# KiCad board jetson-orin-baseboard-test-rig.kicad_pcb
title: Jetson Orin Baseboard Test Rig; date: 2025-06-25; rev: 1.1.0; company: Antmicro Ltd; note: www.antmicro.com
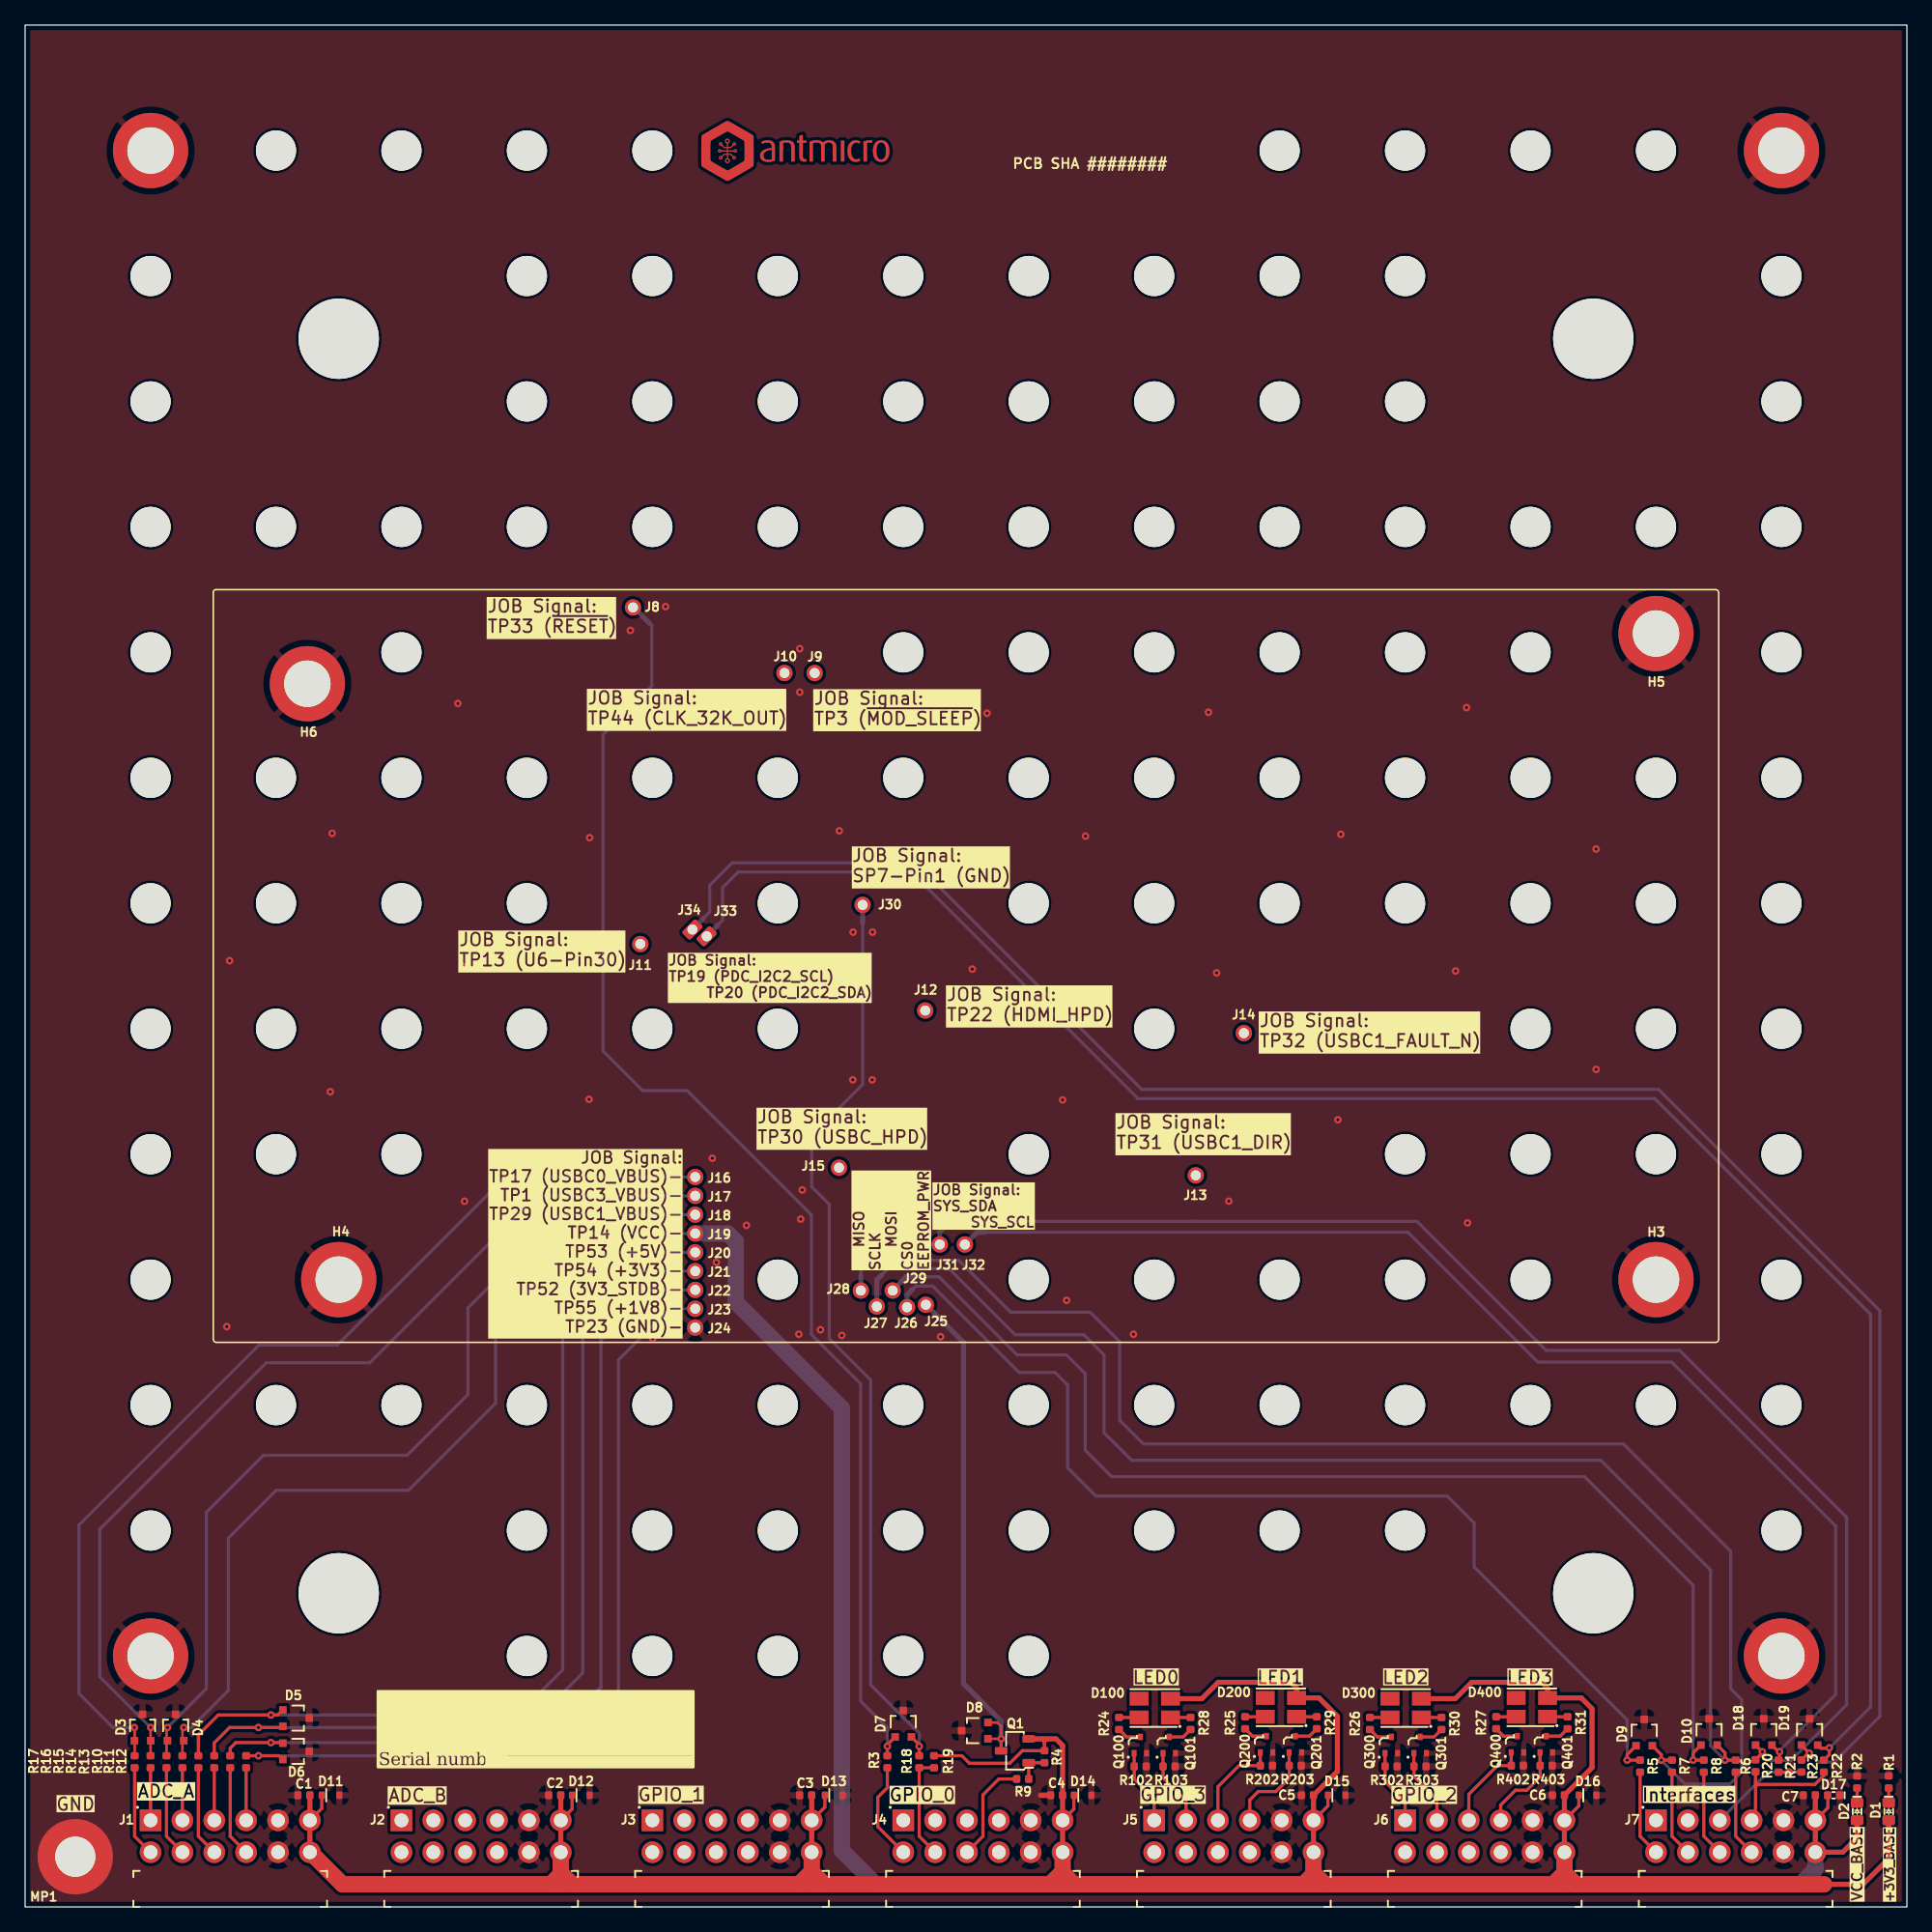
[diagram p0: board, top side]
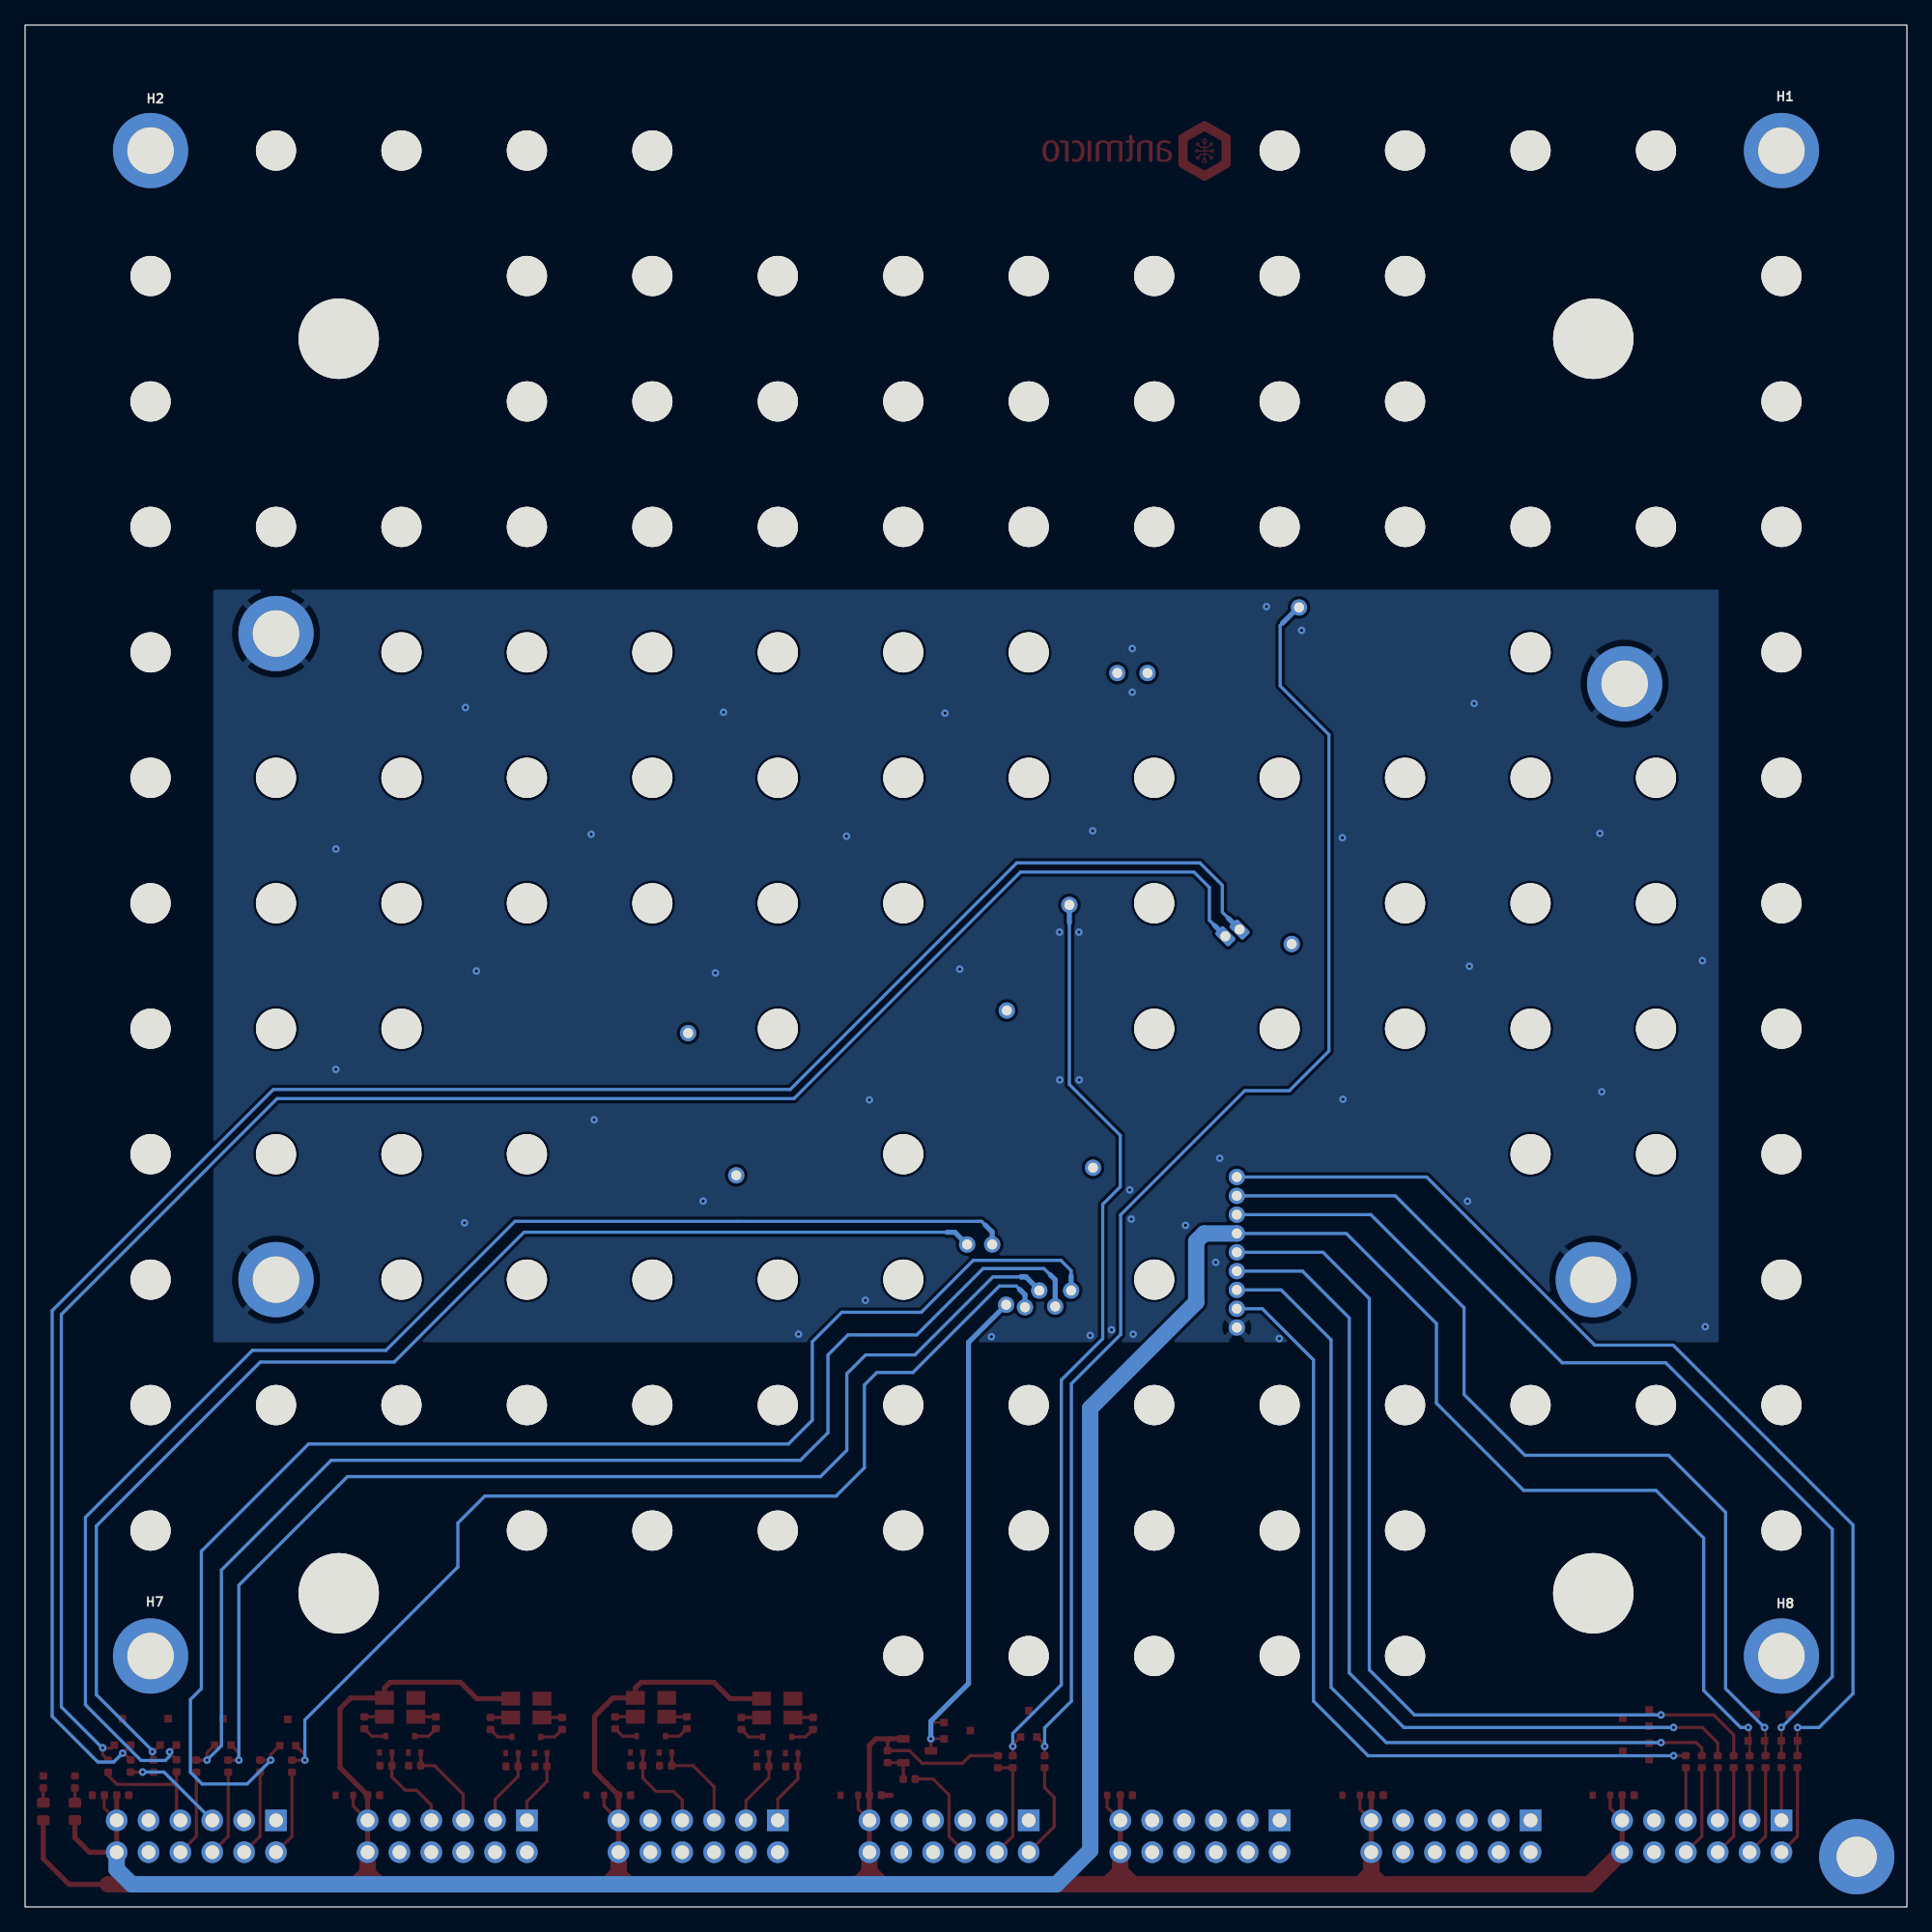
[diagram p1: board, bottom side, seen from below]

Outline 150 x 150 mm; copper layers: Top, Bottom. Coordinates in mm from the lower left corner of the outline.
Outline path: rectangle 0,150 150,0
Stack: Top 0.035mm / dielectric 1.53mm PR2116 er 4.3 / Bottom 0.035mm

## Placement (name value [footprint] x y rotation side)
C1  C_100n_0402  [C_0402_1005Metric]  22.22 8.9 0 top
C2  C_100n_0402  [C_0402_1005Metric]  42.22 8.9 0 top
C3  C_100n_0402  [C_0402_1005Metric]  62.22 8.9 0 top
C4  C_100n_0402  [C_0402_1005Metric]  82.22 8.9 0 top
C5  C_100n_0402  [C_0402_1005Metric]  102.22 8.9 0 top
C6  C_100n_0402  [C_0402_1005Metric]  122.22 8.9 0 top
C7  C_100n_0402  [C_0402_1005Metric]  142.22 8.9 0 top
D1  LED_G_0603_KP-1608CGCK  [LED_0603_1608Metric_G]  148.55 7.61 270 top
D2  LED_G_0603_KP-1608CGCK  [LED_0603_1608Metric_G]  146.03 7.61 270 top
D3  AQ24COM-02  [SC70-3]  9.37 14.3 90 top
D4  AQ24COM-02  [SC70-3]  12 14.3 90 top
D5  TPD2E2U06_SC70  [SC70-3]  21.6 15.05 0 top
D6  TPD2E2U06_SC70  [SC70-3]  21.6 12.4 0 top
D7  TPD2E2U06_SC70  [SC70-3]  70 14.6 90 top
D8  TPD2E2U06_SC70  [SC70-3]  75.7 14.05 180 top
D9  TPD2E2U06_SC70  [SC70-3]  129.06 13.9 90 top
D10  TPD2E2U06_SC70  [SC70-3]  134.23 13.95 90 top
D11  PESD5Z3.3  [SOD-523]  24.35 8.9 0 top
D12  PESD5Z3.3  [SOD-523]  44.3 8.9 0 top
D13  PESD5Z3.3  [SOD-523]  64.45 8.9 0 top
D14  PESD5Z3.3  [SOD-523]  84.3 8.9 0 top
D15  PESD5Z3.3  [SOD-523]  104.55 8.9 0 top
D16  PESD5Z3.3  [SOD-523]  124.55 8.9 0 top
D17  AXGD10402KR  [D_0402_1005Metric]  144.16 8.9 180 top
D18  TPD2E2U06_SC70  [SC70-3]  138.59 13.95 90 top
D19  TPD2E2U06_SC70  [SC70-3]  142.24 13.95 90 top
D100  LED_RGB_PLCC4_ASMB_MTB1_0A3A2  [PLCC4_3.2x2.8mm]  90.04 15.84 180 top
D200  LED_RGB_PLCC4_ASMB_MTB1_0A3A2  [PLCC4_3.2x2.8mm]  100.1 15.9 180 top
D300  LED_RGB_PLCC4_ASMB_MTB1_0A3A2  [PLCC4_3.2x2.8mm]  110.05 15.84 180 top
D400  LED_RGB_PLCC4_ASMB_MTB1_0A3A2  [PLCC4_3.2x2.8mm]  120.1 15.9 180 top
H1  -  [Spacer_Drill3.7mm_H5mm_9774050151R]  10 140 180 bottom
H2  -  [Spacer_Drill3.7mm_H5mm_9774050151R]  140 140 180 bottom
H3  -  [Spacer_Drill3.7mm_H6.5mm_9774065151R]  130 50 0 top  (not fitted)
H4  -  [Spacer_Drill3.7mm_H6.5mm_9774065151R]  25 50 0 top  (not fitted)
H5  -  [Spacer_Drill3.7mm_H6.5mm_9774065151R]  130 101.5 0 top  (not fitted)
H6  -  [Spacer_Drill3.7mm_H6.5mm_9774065151R]  22.5 97.5 0 top  (not fitted)
H7  -  [Spacer_Drill3.7mm_H5mm_9774050151R]  140 20 180 bottom
H8  -  [Spacer_Drill3.7mm_H5mm_9774050151R]  10 20 180 bottom
J1  -  [PinHeader_2x6_P2.54mm_Drill1.1mm_Horizontal]  10 6.9 0 top
J2  -  [PinHeader_2x6_P2.54mm_Drill1.1mm_Horizontal]  30 6.9 0 top
J3  -  [PinHeader_2x6_P2.54mm_Drill1.1mm_Horizontal]  50 6.9 0 top
J4  -  [PinHeader_2x6_P2.54mm_Drill1.1mm_Horizontal]  70 6.9 0 top
J5  -  [PinHeader_2x6_P2.54mm_Drill1.1mm_Horizontal]  90 6.9 0 top
J6  -  [PinHeader_2x6_P2.54mm_Drill1.1mm_Horizontal]  110 6.9 0 top
J7  -  [PinHeader_2x6_P2.54mm_Drill1.1mm_Horizontal]  130 6.9 0 top
J8  Harwin_1x1_H17.75mm_Drill0.8mm_S13-503  [PogoPin_Harwin_1x1_H17.75mm_Drill0.8mm_S13-503]  48.46 103.58 0 top
J9  Harwin_1x1_H17.75mm_Drill0.8mm_S13-503  [PogoPin_Harwin_1x1_H17.75mm_Drill0.8mm_S13-503]  62.94 98.36 0 top
J10  Harwin_1x1_H17.75mm_Drill0.8mm_S13-503  [PogoPin_Harwin_1x1_H17.75mm_Drill0.8mm_S13-503]  60.53 98.36 0 top
J11  Harwin_1x1_H17.75mm_Drill0.8mm_S13-503  [PogoPin_Harwin_1x1_H17.75mm_Drill0.8mm_S13-503]  49.04 76.75 0 top
J12  Harwin_1x1_H17.75mm_Drill0.8mm_S13-503  [PogoPin_Harwin_1x1_H17.75mm_Drill0.8mm_S13-503]  71.75 71.45 0 top
J13  Harwin_1x1_H17.75mm_Drill0.8mm_S13-503  [PogoPin_Harwin_1x1_H17.75mm_Drill0.8mm_S13-503]  93.31 58.31 0 top
J14  Harwin_1x1_H17.75mm_Drill0.8mm_S13-503  [PogoPin_Harwin_1x1_H17.75mm_Drill0.8mm_S13-503]  97.15 69.65 0 top
J15  Harwin_1x1_H17.75mm_Drill0.8mm_S13-503  [PogoPin_Harwin_1x1_H17.75mm_Drill0.8mm_S13-503]  64.88 58.92 0 top
J16  Harwin_1x1_H17.75mm_Drill0.8mm_S13-503  [PogoPin_Harwin_1x1_H17.75mm_Drill0.8mm_S13-503]  53.41 58.18 0 top
J17  Harwin_1x1_H17.75mm_Drill0.8mm_S13-503  [PogoPin_Harwin_1x1_H17.75mm_Drill0.8mm_S13-503]  53.41 56.68 0 top
J18  Harwin_1x1_H17.75mm_Drill0.8mm_S13-503  [PogoPin_Harwin_1x1_H17.75mm_Drill0.8mm_S13-503]  53.41 55.18 0 top
J19  Harwin_1x1_H17.75mm_Drill0.8mm_S13-503  [PogoPin_Harwin_1x1_H17.75mm_Drill0.8mm_S13-503]  53.41 53.68 0 top
J20  Harwin_1x1_H17.75mm_Drill0.8mm_S13-503  [PogoPin_Harwin_1x1_H17.75mm_Drill0.8mm_S13-503]  53.41 52.18 0 top
J21  Harwin_1x1_H17.75mm_Drill0.8mm_S13-503  [PogoPin_Harwin_1x1_H17.75mm_Drill0.8mm_S13-503]  53.41 50.68 0 top
J22  Harwin_1x1_H17.75mm_Drill0.8mm_S13-503  [PogoPin_Harwin_1x1_H17.75mm_Drill0.8mm_S13-503]  53.41 49.18 0 top
J23  Harwin_1x1_H17.75mm_Drill0.8mm_S13-503  [PogoPin_Harwin_1x1_H17.75mm_Drill0.8mm_S13-503]  53.41 47.68 0 top
J24  Harwin_1x1_H17.75mm_Drill0.8mm_S13-503  [PogoPin_Harwin_1x1_H17.75mm_Drill0.8mm_S13-503]  53.41 46.18 0 top
J25  Harwin_1x1_H17.75mm_Drill0.8mm_S13-503  [PogoPin_Harwin_1x1_H17.75mm_Drill0.8mm_S13-503]  71.8 48 0 top
J26  Harwin_1x1_H17.75mm_Drill0.8mm_S13-503  [PogoPin_Harwin_1x1_H17.75mm_Drill0.8mm_S13-503]  70.3 47.8 0 top
J27  Harwin_1x1_H17.75mm_Drill0.8mm_S13-503  [PogoPin_Harwin_1x1_H17.75mm_Drill0.8mm_S13-503]  67.89 47.86 0 top
J28  Harwin_1x1_H17.75mm_Drill0.8mm_S13-503  [PogoPin_Harwin_1x1_H17.75mm_Drill0.8mm_S13-503]  66.62 49.13 0 top
J29  Harwin_1x1_H17.75mm_Drill0.8mm_S13-503  [PogoPin_Harwin_1x1_H17.75mm_Drill0.8mm_S13-503]  69.16 49.13 0 top
J30  Harwin_1x1_H17.75mm_Drill0.8mm_S13-503  [PogoPin_Harwin_1x1_H17.75mm_Drill0.8mm_S13-503]  66.76 79.87 0 top
J31  Harwin_1x1_H17.75mm_Drill0.8mm_S13-503_CUSTOM  [PogoPin_Harwin_1x1_H17.75mm_Drill0.8mm_S13-503]  72.91 52.8 90 top
J32  Harwin_1x1_H17.75mm_Drill0.8mm_S13-503_CUSTOM  [PogoPin_Harwin_1x1_H17.75mm_Drill0.8mm_S13-503]  74.91 52.8 90 top
J33  Harwin_1x1_H17.75mm_Drill0.8mm_S13-503_CUSTOM_Oblong  [PogoPin_Harwin_1x1_H17.75mm_Drill0.8mm_CUSTOM_S13-503]  54.33 77.37 135 top
J34  Harwin_1x1_H17.75mm_Drill0.8mm_S13-503_CUSTOM_Oblong  [PogoPin_Harwin_1x1_H17.75mm_Drill0.8mm_CUSTOM_S13-503]  53.19 77.91 315 top
MP1  -  [MP_Pad6mm_Drill3.2mm]  4 4 0 top
Q1  BSS84  [SOT-23-3]  78.9 12.44 180 top
Q100  PJE138K  [SOT-523]  88.9 12.9 0 top
Q101  PJE138K  [SOT-523]  91.2 12.9 0 top
Q200  PJE138K  [SOT-523]  98.96 12.96 0 top
Q201  PJE138K  [SOT-523]  101.25 12.96 0 top
Q300  PJE138K  [SOT-523]  108.9 12.9 0 top
Q301  PJE138K  [SOT-523]  111.2 12.9 0 top
Q400  PJE138K  [SOT-523]  118.95 12.96 0 top
Q401  PJE138K  [SOT-523]  121.25 12.96 0 top
R1  R_330R_0402  [R_0402_1005Metric]  148.55 9.96 270 top
R2  R_3k9_0402  [R_0402_1005Metric]  146.03 9.96 270 top
R3  R_0R_0402  [R_0402_1005Metric]  68.73 11.57 90 top
R4  R_10k_0402  [R_0402_1005Metric]  81.25 11.97 90 top
R5  R_0R_0402  [R_0402_1005Metric]  128.73 11.22 90 top
R6  R_0R_0402  [R_0402_1005Metric]  136.35 11.22 90 top
R7  R_0R_0402  [R_0402_1005Metric]  131.27 11.22 90 top
R8  R_0R_0402  [R_0402_1005Metric]  133.81 11.22 90 top
R9  R_0R_0402  [R_0402_1005Metric]  79.52 10.2 0 top
R10  R_0R_0402  [R_0402_1005Metric]  15.08 11.57 90 top
R11  R_0R_0402  [R_0402_1005Metric]  16.35 11.57 90 top
R12  R_0R_0402  [R_0402_1005Metric]  17.62 11.57 90 top
R13  R_3k9_0402  [R_0402_1005Metric]  13.81 11.57 270 top
R14  R_68k_0402  [R_0402_1005Metric]  12.54 11.57 90 top
R15  R_68k_0402  [R_0402_1005Metric]  11.27 11.57 90 top
R16  R_68k_0402  [R_0402_1005Metric]  10 11.57 90 top
R17  R_68k_0402  [R_0402_1005Metric]  8.73 11.57 90 top
R18  R_0R_0402  [R_0402_1005Metric]  71.27 11.57 90 top
R19  R_10k_0402  [R_0402_1005Metric]  72.45 11.57 90 top
R20  R_0R_0402  [R_0402_1005Metric]  137.93 11.25 90 top  (not fitted)
R21  R_0R_0402  [R_0402_1005Metric]  139.77 11.22 90 top  (not fitted)
R22  R_0R_0402  [R_0402_1005Metric]  143.38 11.22 90 top
R23  R_0R_0402  [R_0402_1005Metric]  141.59 11.23 90 top
R24  R_1k5_0402  [R_0402_1005Metric]  87.2 14.62 90 top
R25  R_1k5_0402  [R_0402_1005Metric]  97.25 14.68 90 top
R26  R_1k5_0402  [R_0402_1005Metric]  107.2 14.62 90 top
R27  R_1k5_0402  [R_0402_1005Metric]  117.26 14.68 90 top
R28  R_2k_0402  [R_0402_1005Metric]  92.9 14.62 90 top
R29  R_2k_0402  [R_0402_1005Metric]  102.96 14.68 90 top
R30  R_2k_0402  [R_0402_1005Metric]  112.9 14.62 90 top
R31  R_2k_0402  [R_0402_1005Metric]  122.95 14.68 90 top
R102  R_10k_0402  [R_0402_1005Metric]  88.89 11.2 180 top
R103  R_10k_0402  [R_0402_1005Metric]  91.19 11.2 180 top
R202  R_10k_0402  [R_0402_1005Metric]  98.94 11.26 180 top
R203  R_10k_0402  [R_0402_1005Metric]  101.25 11.26 180 top
R302  R_10k_0402  [R_0402_1005Metric]  108.89 11.2 180 top
R303  R_10k_0402  [R_0402_1005Metric]  111.19 11.2 180 top
R402  R_10k_0402  [R_0402_1005Metric]  118.94 11.26 180 top
R403  R_10k_0402  [R_0402_1005Metric]  121.25 11.26 180 top
REF**  -  [MP_NPTH_Drill6.4mm]  25 25 90 top
REF**1  -  [MP_NPTH_Drill3.2mm]  20 140 0 top
REF**2  -  [MP_NPTH_Drill3.2mm]  30 140 0 top
REF**3  -  [MP_NPTH_Drill3.2mm]  40 140 0 top
REF**4  -  [MP_NPTH_Drill3.2mm]  50 140 0 top
REF**9  -  [MP_NPTH_Drill3.2mm]  100 140 0 top
REF**10  -  [MP_NPTH_Drill3.2mm]  110 140 0 top
REF**11  -  [MP_NPTH_Drill3.2mm]  120 140 0 top
REF**12  -  [MP_NPTH_Drill3.2mm]  130 140 0 top
REF**14  -  [MP_NPTH_Drill3.2mm]  10 130 0 top
REF**17  -  [MP_NPTH_Drill3.2mm]  40 130 0 top
REF**18  -  [MP_NPTH_Drill3.2mm]  50 130 0 top
REF**19  -  [MP_NPTH_Drill3.2mm]  60 130 0 top
REF**20  -  [MP_NPTH_Drill3.2mm]  70 130 0 top
REF**21  -  [MP_NPTH_Drill3.2mm]  80 130 0 top
REF**22  -  [MP_NPTH_Drill3.2mm]  90 130 0 top
REF**23  -  [MP_NPTH_Drill3.2mm]  100 130 0 top
REF**24  -  [MP_NPTH_Drill3.2mm]  110 130 0 top
REF**27  -  [MP_NPTH_Drill3.2mm]  140 130 0 top
REF**28  -  [MP_NPTH_Drill3.2mm]  10 120 0 top
REF**29  -  [MP_NPTH_Drill3.2mm]  70 90 0 top
REF**29#2  -  [MP_NPTH_Drill3.2mm]  20 90 0 top
REF**29#3  -  [MP_NPTH_Drill3.2mm]  130 40 180 top
REF**29#4  -  [MP_NPTH_Drill3.2mm]  20 110 0 top
REF**30  -  [MP_NPTH_Drill3.2mm]  80 90 0 top
REF**30#2  -  [MP_NPTH_Drill3.2mm]  120 40 180 top
REF**30#3  -  [MP_NPTH_Drill3.2mm]  30 100 0 top
REF**30#4  -  [MP_NPTH_Drill3.2mm]  30 110 0 top
REF**30#5  -  [MP_NPTH_Drill3.2mm]  30 90 0 top
REF**31  -  [MP_NPTH_Drill3.2mm]  40 90 0 top
REF**31#2  -  [MP_NPTH_Drill3.2mm]  40 120 0 top
REF**31#3  -  [MP_NPTH_Drill3.2mm]  40 110 0 top
REF**31#4  -  [MP_NPTH_Drill3.2mm]  90 90 0 top
REF**31#5  -  [MP_NPTH_Drill3.2mm]  110 40 180 top
REF**32  -  [MP_NPTH_Drill3.2mm]  20 60 0 top
REF**32#2  -  [MP_NPTH_Drill3.2mm]  100 90 0 top
REF**32#3  -  [MP_NPTH_Drill3.2mm]  120 90 0 top
REF**32#4  -  [MP_NPTH_Drill3.2mm]  20 70 0 top
REF**32#5  -  [MP_NPTH_Drill3.2mm]  50 90 0 top
REF**32#6  -  [MP_NPTH_Drill3.2mm]  50 120 0 top
REF**32#7  -  [MP_NPTH_Drill3.2mm]  110 80 0 top
REF**32#8  -  [MP_NPTH_Drill3.2mm]  120 70 180 top
REF**32#9  -  [MP_NPTH_Drill3.2mm]  20 80 0 top
REF**32#10  -  [MP_NPTH_Drill3.2mm]  130 80 270 top
REF**32#11  -  [MP_NPTH_Drill3.2mm]  100 40 180 top
REF**32#12  -  [MP_NPTH_Drill3.2mm]  50 110 0 top
REF**32#13  -  [MP_NPTH_Drill3.2mm]  40 70 0 top
REF**32#14  -  [MP_NPTH_Drill3.2mm]  90 80 0 top
REF**32#15  -  [MP_NPTH_Drill3.2mm]  40 80 0 top
REF**32#16  -  [MP_NPTH_Drill3.2mm]  50 70 0 top
REF**33  -  [MP_NPTH_Drill3.2mm]  60 110 0 top
REF**33#2  -  [MP_NPTH_Drill3.2mm]  80 80 0 top
REF**33#3  -  [MP_NPTH_Drill3.2mm]  30 60 0 top
REF**33#4  -  [MP_NPTH_Drill3.2mm]  60 80 0 top
REF**33#5  -  [MP_NPTH_Drill3.2mm]  100 80 0 top
REF**33#6  -  [MP_NPTH_Drill3.2mm]  60 90 0 top
REF**33#7  -  [MP_NPTH_Drill3.2mm]  90 70 0 top
REF**33#8  -  [MP_NPTH_Drill3.2mm]  120 80 0 top
REF**33#9  -  [MP_NPTH_Drill3.2mm]  60 70 0 top
REF**33#10  -  [MP_NPTH_Drill3.2mm]  110 90 0 top
REF**33#11  -  [MP_NPTH_Drill3.2mm]  60 120 0 top
REF**33#12  -  [MP_NPTH_Drill3.2mm]  90 50 180 top